# Altium PCB Gimbal_Board_3_PCB.PcbDoc
Units mil, origin at the board's own origin, x right, y up, seen from the top; angles counter-clockwise.
Board outline 3330.6 x 2103.91 mil, 2 copper layers (Top Layer, Bottom Layer); 90 components, 74 nets, 281 pads, 90 vias.
Unrouted connection lines stored in the file: 35.
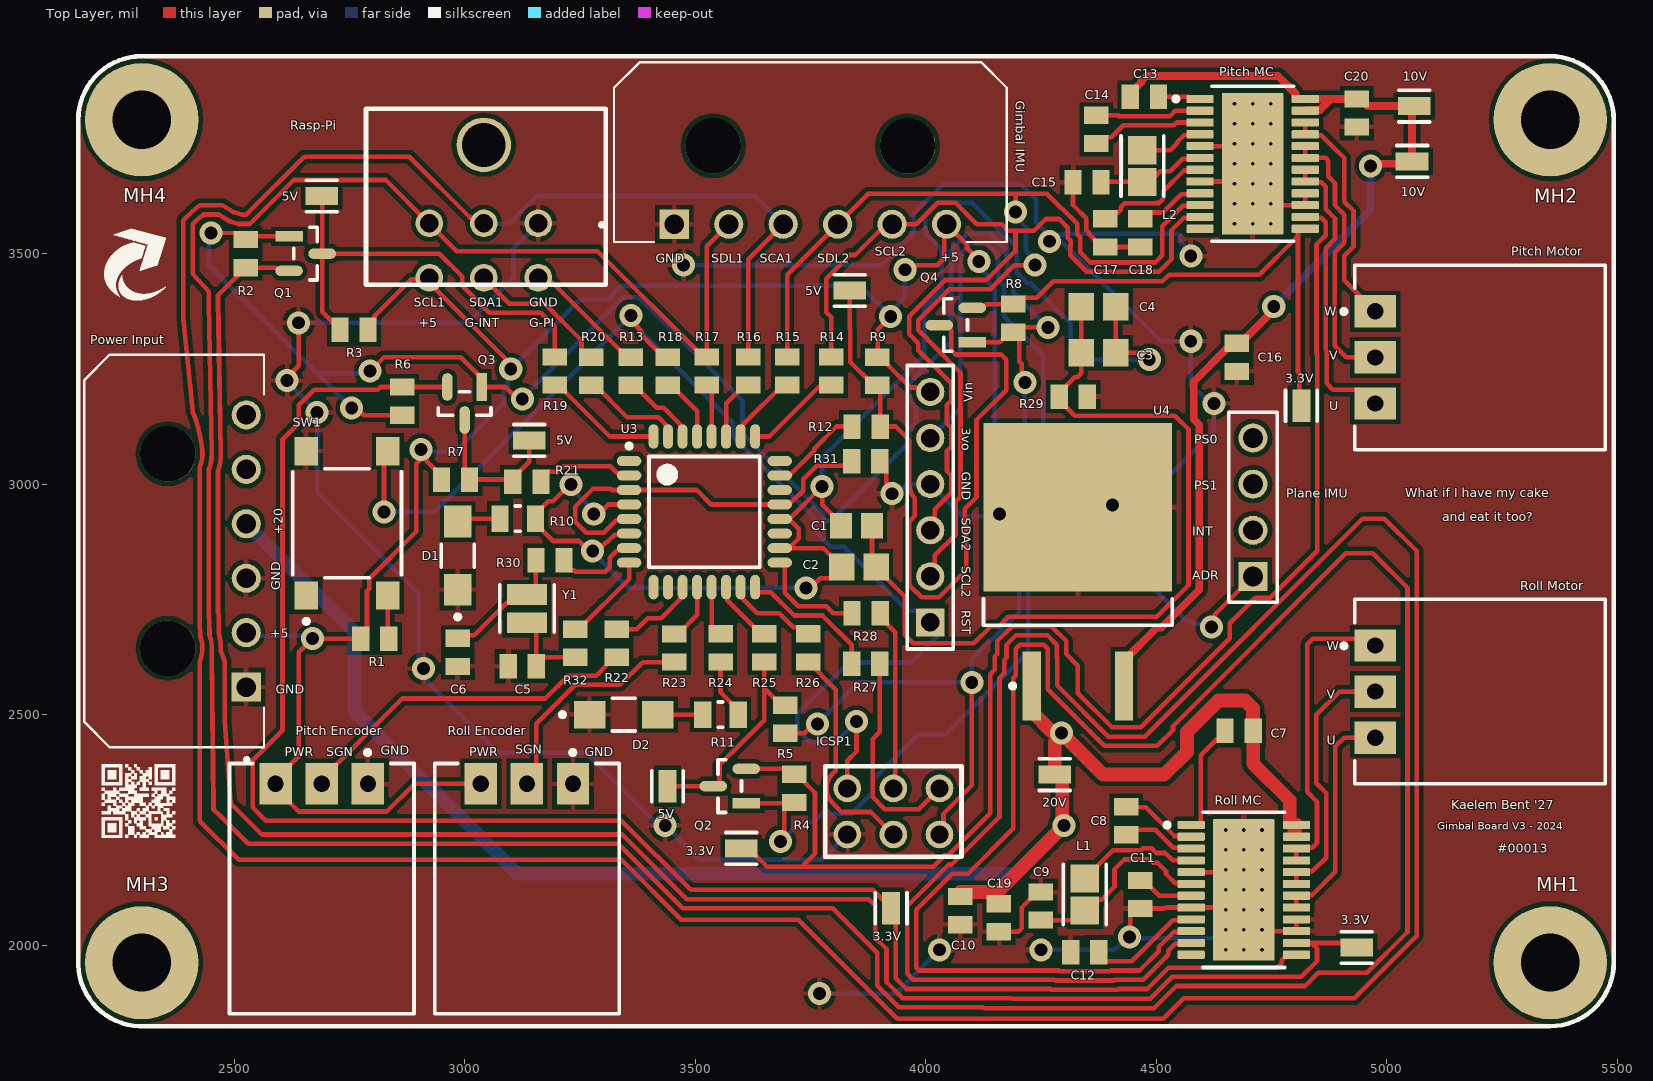
[diagram p0: Top Layer view]
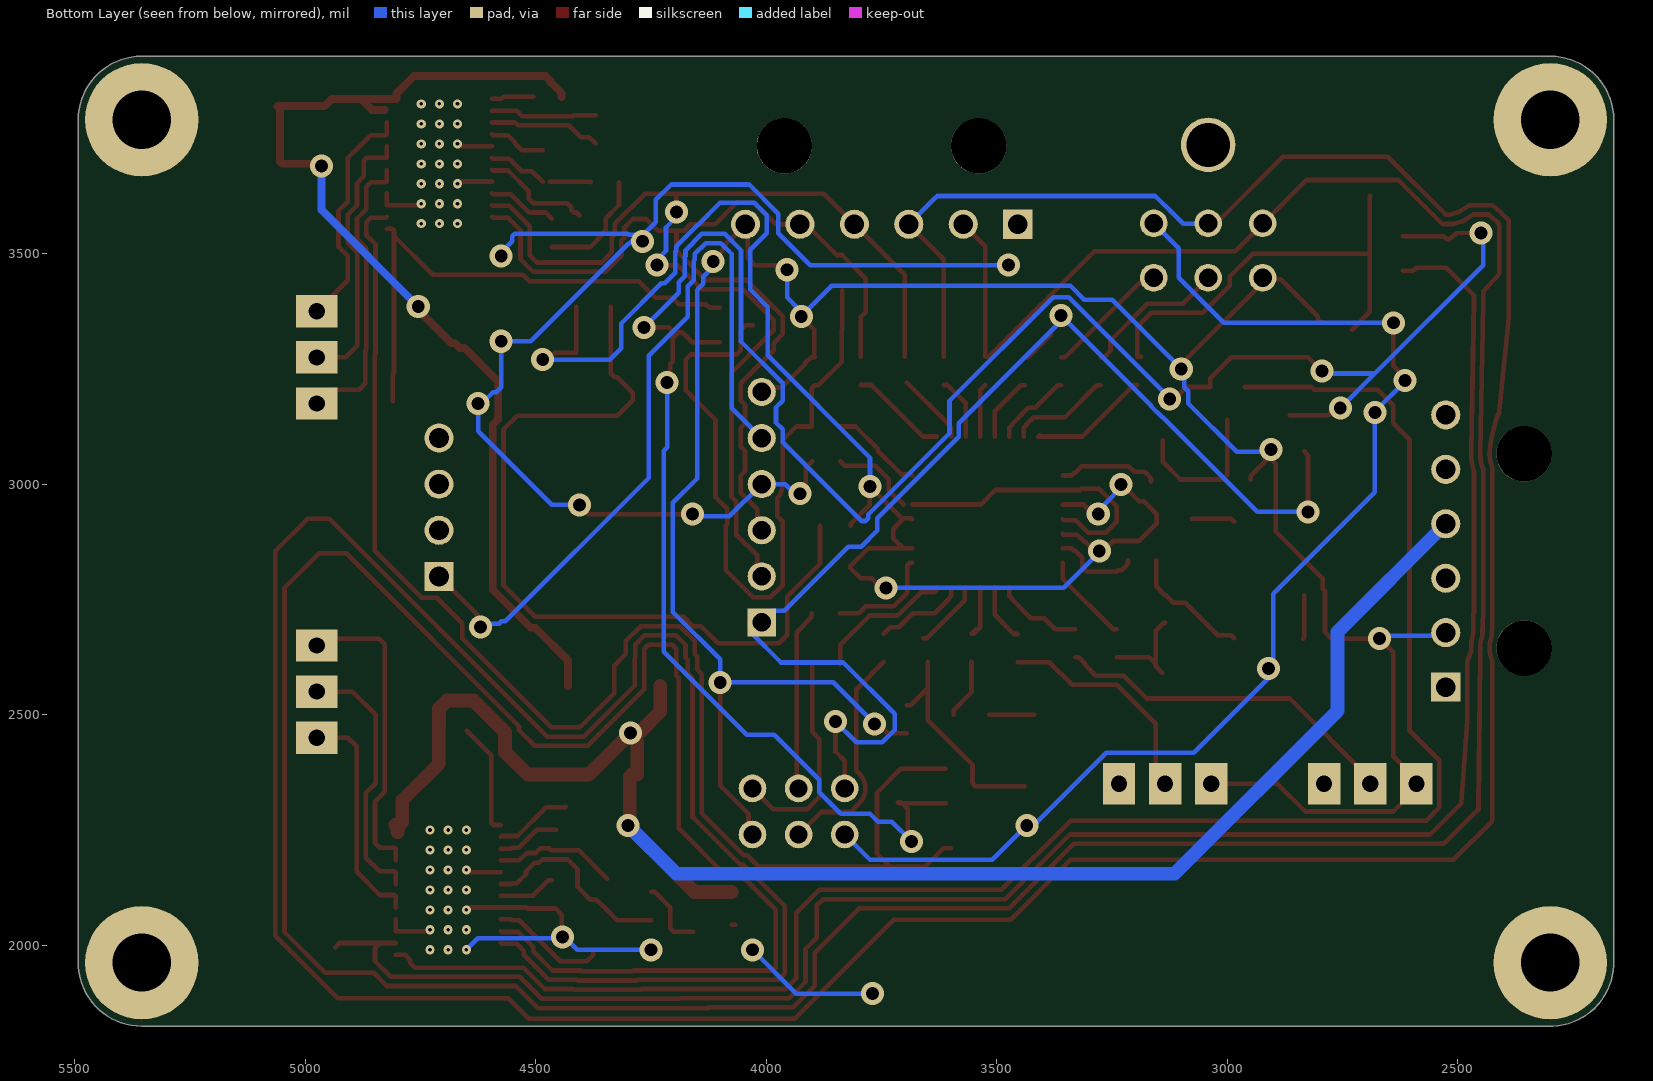
[diagram p1: Bottom Layer view, seen from below]

## Layer stack, top to bottom
Top Solder: solder mask 0.4, Solder Resist, Dk 3.5
Top Layer: signal copper 1.4
Dielectric 1: dielectric 12.6, FR-4, Dk 4.8
Bottom Layer: signal copper 1.4
Bottom Solder: solder mask 0.4, Solder Resist, Dk 3.5

## Board outline
2161.85,1956.6 2161.86,3790.35 cw(c2299.65,3790.35) 2299.65,3928.14 5354.66,3928.14 cw(c5354.66,3790.35) 5492.46,3790.35 5492.46,1962.03 cw(c5354.66,1962.03) 5354.66,1824.24 2294.22,1824.24 cw(c2299.65,1962.03)

## Design rules (kind name [scope] priority, off if disabled: settings)
Clearance [All] p1: gap=10 ignorepadtopadclearanceinfootprint=FALSE except(5: SMDPad-SMDPad; 7: SMDPad-Hole)
HoleSize [All] p1: absolutevalues=TRUE maxlimit=150 minlimit=1 maxpercent=80.000 minpercent=20.000
MinimumSolderMaskSliver [All] p1: minsoldermaskwidth=1.8
NetAntennae [All] p1: netantennaetolerance=5000
PolygonConnect [All] p1: connectstyle=Relief reliefconductorwidth=10 reliefentries=4 polygonreliefangle="90 Angle" airgapwidth=10
RoutingVias [All] p1: holewidth=28 width=50 viastyle="Through Hole" minholewidth=28 minwidth=50 maxholewidth=28 maxwidth=50
SolderMaskExpansion SolderMaskExpansion_Via [IsVia] p1: expansion=4 istentingtop=TRUE
SolderMaskExpansion [All] p2: expansion=4 istentingtop=FALSE
SupplyNets "Schematic Supply Nets_4" [InNet('GND')] p1: voltage=0.000
SupplyNets "Schematic Supply Nets_3" [InNet('MC_ROLL_20T')] p2: voltage=0.000
SupplyNets "Schematic Supply Nets_2" [InNet('+5')] p3: voltage=0.000
SupplyNets "Schematic Supply Nets_1" [InNet('5V')] p4: voltage=0.000
SupplyNets "Schematic Supply Nets" [InNet('+3.3')] p5: voltage=0.000
Width [All] p1: maxlimit=30 minlimit=10 preferedwidth=10 minimp=50.000000 maximp=50.000000 favimp=50.000000
27 further rules are at their usual default settings.

## Classes and differential pairs
component class "Voltage_Regulator and Level Shifters": C19 C20 Q1 Q2 Q3 Q4 R2 R3 R4 R5 R6 R7 R8 R9 U4
component class "Test Pins": 3.3V 5V 10V 20V
component class Motor_Controllers: C7 C8 C9 C10 C11 C12 C13 C14 C15 C16 C17 C18 L1 L2 "Pitch MC" "Roll MC"
component class MCU: C1 C2 C3 C4 C5 C6 D1 D2 MH1 MH2 MH3 MH4 R1 R10 R11 R12 R13 R14 R15 R16 R17 R18 R19 R20 R21 R22 R23 R24 R25 R26 R27 R28 R29 R30 R31 R32 SW1 U3 Y1
component class "Headers and Breakaways": "Gimbal IMU" ICSP1 "Pitch Encoder" "Pitch Motor" "Plane IMU" "Power Input" Rasp-Pi "Roll Encoder" "Roll Motor"

## Components (designator, comment, footprint, x,y, rotation, side; value= is the part's Value field where it differs from the comment)
3.3V "S2761-46R" S2761-46R 3600,2210 r180 top (schematic designator J20)
3.3V "S2761-46R" S2761-46R 4935,1995 r0 top (schematic designator J18)
3.3V "S2761-46R" S2761-46R 4815,3170 r90 top (schematic designator J13)
3.3V "S2761-46R" S2761-46R 3925,2080 r90 top (schematic designator J11)
5V "S2761-46R" S2761-46R 3835,3420 r0 top (schematic designator J16)
5V "S2761-46R" S2761-46R 3140,3095 r0 top (schematic designator J14)
5V "S2761-46R" S2761-46R 3440,2345 r90 top (schematic designator J12)
5V "S2761-46R" S2761-46R 2690,3625 r180 top (schematic designator J7)
10V "S2761-46R" S2761-46R 5060,3820 r0 top (schematic designator J21)
10V "S2761-46R" S2761-46R 5055,3700 r0 top (schematic designator J19)
20V "S2761-46R" S2761-46R 4280,2370 r0 top (schematic designator J15)
C1 "0.1uF" CAPC2013X135X45NL10T25 3850,2910 r180 top
C2 "0.1uF" CAPC2013X135X45ML10T25 3855,2820 r180 top
C3 "0.1uF" CAPC2013X135X45ML10T25 4375,3285 r0 top
C4 "0.1uF" CAPC2013X135X45ML10T25 4375,3385 r0 top
C5 "22pF" 0805 3125,2605 r0 top
C6 "22pF" 0805 2985,2635 r90 top
C7 "100nF" 0805 4680,2465 r180 top
C8 "100nF" 0805 4435,2270 r90 top
C9 "10uF" 0805 4250,2085 r270 top
C10 "10uF" 0805 4075,2075 r90 top
C11 "100nF" 0805 4465,2110 r270 top
C12 "100nF" 0805 4345,1985 r180 top
C13 "100nF" 0805 4474.49,3840 r0 top
C14 "100nF" 0805 4370,3769.49 r90 top
C15 "10uF" 0805 4350,3655 r0 top
C16 "10uF" 0805 4675,3275 r90 top
C17 "100nF" 0805 4390,3545 r270 top
C18 "100nF" 0805 4465,3545 r270 top
C19 "330nF" 0805 4158.94,2059.49 r90 top
C20 "100nF" 0805 4935,3805 r270 top
D1 "POWER_LED" FP-APTD3216CGCK-MFG 2985,2845 r90 top value="Green LED"
D2 "IC_LED" FP-APTD3216CGCK-MFG 3345,2500 r0 top
"Gimbal IMU" "GIMBAL IMU 90 BREAK (1)" "Molex Microfit 3.0 1x6 Right Angle" 3750,3720 r180 top value="1x6 Breakaway" (schematic designator J4)
ICSP1 "ICSP" "2x3 Breakaway Vertical" 3930,2290 r270 top
L1 "47uH" FP-LQM21DH_70-IPC_A 4345,2110 r270 top
L2 "47uH" FP-LQM21DH_70-IPC_A 4470,3690 r270 top
MH1 "M3" M3_Mounting_Hole 5354.66,1962.03 r0 top
MH2 "M3" M3_Mounting_Hole 5354.66,3790.35 r0 top
MH3 "M3" M3_Mounting_Hole 2299.65,1962.03 r0 top
MH4 "M3" M3_Mounting_Hole 2299.65,3790.35 r0 top
"Pitch Encoder" "PITCH_ENCODER_BREAKWAY" "1x3 Breakaway Right Angle" 2690,2122.64 r0 top (schematic designator J2)
"Pitch MC" "MC_PITCH" FP-PWP0024B-MFG 4709.17,3694.84 r0 top (schematic designator U2)
"Pitch Motor" "PITCH_MOTOR_BREAKAWAY" "1x3 Breakaway Right Angle" 5202.36,3275 r90 top (schematic designator J6)
"Plane IMU" "PLANE IMU VERT BREAK" "BNO055 Breakout" 4710,2950 r90 top (schematic designator J8)
"Power Input" "Power Board" "Molex Microfit 3.0 1x6 Right Angle" 2370,2855 r270 top value="Molex 1x6 Right Angle" (schematic designator J3)
Q1 "5V to 3.3V" FP-318-08-IPC_B 2655,3500 r0 top
Q2 "5V to 3.3V" FP-318-08-IPC_B 3575,2345 r180 top
Q3 "5V to 3.3V" FP-318-08-IPC_B 3000,3175 r270 top
Q4 "5V to 3.3V" FP-318-08-IPC_B 4065,3345 r180 top
R1 "1k" 0805 2805,2665 r180 top
R2 "10k" 0805 2525,3500 r90 top
R3 "10k" 0805 2760,3335 r0 top
R4 "10k" 0805 3715,2340 r270 top
R5 "10k" 0805 3695,2490 r270 top
R6 "10k" 0805 2865,3180 r270 top
R7 "10k" 0805 2980,3010 r180 top
R8 "10k" 0805 4190,3360 r270 top
R9 "10k" 0805 3895,3245 r90 top
R10 "220" FP-CRCW0805-e3-MFG 3115,2925 r0 top
R11 "220" FP-CRCW0805-e3-MFG 3555,2500 r0 top
R12 "0" 0805 3870.75,3125 r0 top value=10
R13 "0" 0805 3360,3245 r90 top value=10
R14 "0" 0805 3795,3245.51 r90 top value=10
R15 "0" 0805 3700,3245.51 r90 top value=10
R16 "0" 0805 3615,3245.51 r90 top value=10
R17 "0" 0805 3525,3245.51 r90 top value=10
R18 "0" 0805 3440,3245 r90 top value=10
R19 "0" 0805 3195,3245.51 r90 top value=10
R20 "0" 0805 3275,3245 r90 top value=10
R21 "0" 0805 3135,3005 r180 top value=10
R22 "0" 0805 3330,2655 r270 top value=10
R23 "0" 0805 3455,2644.49 r270 top value=10
R24 "0" 0805 3555,2645 r270 top value=10
R25 "0" 0805 3650,2645 r270 top value=10
R26 "0" 0805 3745,2645 r270 top value=10
R27 "0" 0805 3870,2610 r0 top value=10
R28 "0" 0805 3870.75,2720 r0 top value=10
R29 "0" 0805 4320,3190 r180 top value=10
R30 "0" 0805 3185,2835 r180 top value=10
R31 "0" 0805 3870,3050 r180 top value=10
R32 "0" 0805 3240,2655 r90 top value=10
Rasp-Pi "PI HAT" "Molex Microfit 3.0 2x3 Right Angle" 3160,3566.01 r180 top value="Molex 2x3 Right Angle" (schematic designator J9)
"Roll Encoder" "ROLL_ENCODER_BREAKWAY" "1x3 Breakaway Right Angle" 3135,2122.64 r0 top (schematic designator J1)
"Roll MC" "MC_ROLL" FP-PWP0024B-MFG 4690,2120 r0 top (schematic designator U1)
"Roll Motor" "ROLL_MOTOR_BREAKAWAY" "1x3 Breakaway Right Angle" 5202.36,2550 r90 top (schematic designator J5)
SW1 "Reset_Button" FP-PTS645SM43SMTR92LFS-MFG 2745,2915 r90 top
U3 "ATmega328-AU" 32A_L 3520,2940 r0 top
U4 "VR-PITCH" TO-263_N 4330,2810.24 r90 top
Y1 "16MHz" FP-XRCHA-MFG 3135,2730 r90 top

## Footprints (in the part's own frame and the unit in brackets; to place one, negate y for a bottom-side part, rotate by r counter-clockwise, add the part's x,y. Pads: shape width x height; smd on the part's side, far side on the other; paste and mask are expansions set on the pad)
"1x3 Breakaway Right Angle" [mm]
  rect 1.78x2.29 hole 0.89 paste-2539.97 mask+0: 1(2.54,5.775) 2(0,5.775) 3(-2.54,5.775)
  silkscreen extent -5.08,-6.9 5.08,7.62, body extent -5.18,-6.99 5.18,7.02, height 0.25
"2x3 Breakaway Vertical" [mil]
  round 60 hole 39.37: 1(-50,-100) 2(-50,0) 3(-50,100) 4(50,-100) 5(50,0) 6(50,100)
  silkscreen extent -98,-148 98,148, body extent -100,-150 100,150, height 364
32A_L [mm] "Thin QFP, 32-Leads, Body 7x7mm, Pitch 0.8mm, IPC High Density"
  oval 1.35x0.55 smd: 1(-4.15,2.8) 2(-4.15,2) 3(-4.15,1.2) 4(-4.15,0.4) 5(-4.15,-0.4) 6(-4.15,-1.2) 7(-4.15,-2) 8(-4.15,-2.8) 17(4.15,-2.8) 18(4.15,-2) 19(4.15,-1.2) 20(4.15,-0.4) 21(4.15,0.4) 22(4.15,1.2) 23(4.15,2) 24(4.15,2.8)
  oval 0.55x1.35 smd: 9(-2.8,-4.15) 10(-2,-4.15) 11(-1.2,-4.15) 12(-0.4,-4.15) 13(0.4,-4.15) 14(1.2,-4.15) 15(2,-4.15) 16(2.8,-4.15) 25(2.8,4.15) 26(2,4.15) 27(1.2,4.15) 28(0.4,4.15) 29(-0.4,4.15) 30(-1.2,4.15) 31(-2,4.15) 32(-2.8,4.15)
  silkscreen extent -4.27,-3.05 3.05,3.75, body extent -3.5,-3.5 3.5,3.5, height 1.2
0805 [mm] "Chip Resistor, 2-Leads, Body 2.00x1.25mm, IPC High Density"
  rect 0.95x1.35 smd: 1(-0.775,0) 2(0.775,0)
  body extent -1.1,-0.72 1.1,0.72, height 0.7
"BNO055 Breakout" [mm]
  rect 1.55x1.55 hole 1.02: 1(-6.35,17.78)
  round 1.55 hole 1.02: 2(-3.81,17.78) 3(-1.27,17.78) 4(1.27,17.78) 5(3.81,17.78) 6(6.35,17.78)
  rect 1.6x1.6 hole 1.1: 7(-3.81,0)
  round 1.6 hole 1.1: 8(-1.27,0) 9(1.27,0) 10(3.81,0)
  silkscreen extent -7.81,-1.35 7.81,19.05, body extent -13.33,-1.27 13.33,19.05, height 12.65
CAPC2013X135X45ML10T25 [mm] "Chip Capacitor, 2-Leads, Body 2.10x1.35mm, IPC Low Density"
  rect 1.4x1.5 smd: 1(-0.95,0) 2(0.95,0)
  body extent -1.05,-0.67 1.05,0.67, height 1.35
CAPC2013X135X45NL10T25 [mm] "Chip Capacitor, 2-Leads, Body 2.10x1.35mm, IPC Medium Density"
  rect 1.2x1.4 smd: 1(-0.85,0) 2(0.85,0)
  body extent -1.05,-0.67 1.05,0.67, height 1.35
FP-318-08-IPC_B [mm]
  rect 1.524x0.578 smd paste+0 mask+0: 1(-0.91,0.95)
  rrect100% 1.524x0.578 smd paste+0 mask+0: 2(-0.91,-0.95) 3(0.91,0)
  silkscreen extent -0.65,-1.45 0.65,1.45, body extent -1.92,-1.7 1.92,1.7, height 0.25
FP-APTD3216CGCK-MFG [mm]
  rect 1.75x1.5 smd paste+0 mask+0: 1(-1.875,0) 2(1.875,0)
  silkscreen extent -3.5,-0.9 0.63,0.9, body extent -2.85,-1 2.85,1, height 0.25
FP-CRCW0805-e3-MFG [mm]
  rect 0.95x1.45 smd paste+0 mask+0: 1(-0.975,0) 2(0.975,0)
  silkscreen extent -0.13,-0.7 0.13,0.7, body extent -1.55,-0.82 1.55,0.82, height 0.25
FP-LQM21DH_70-IPC_A [mil]
  rect 61.2x61.27 smd paste+0 mask+0: 1(-34.48,0) 2(34.48,0)
  silkscreen extent -65,-46 65,46, body extent -85,-50 85,50, height 10
FP-PTS645SM43SMTR92LFS-MFG [mm]
  rect 1.55x1.3 smd paste+0 mask+0: 1(-3.975,2.25) 2(3.975,2.25) 3(-3.975,-2.25) 4(3.975,-2.25)
  silkscreen extent -5.52,-3 3,3, body extent -4.85,-3.1 4.85,3.1, height 0.25
FP-PWP0024B-MFG [mm]
  rrect22% 1.5x0.45 smd paste+0 mask+0: 1(-2.9,3.575) 2(-2.9,2.925) 3(-2.9,2.275) 4(-2.9,1.625) 5(-2.9,0.975) 6(-2.9,0.325) 7(-2.9,-0.325) 8(-2.9,-0.975) 9(-2.9,-1.625) 10(-2.9,-2.275) 11(-2.9,-2.925) 12(-2.9,-3.575) 13(2.9,-3.575) 14(2.9,-2.925) 15(2.9,-2.275) 16(2.9,-1.625) 17(2.9,-0.975) 18(2.9,-0.325) 19(2.9,0.325) 20(2.9,0.975) 21(2.9,1.625) 22(2.9,2.275) 23(2.9,2.925) 24(2.9,3.575)
  rrect3% 3.4x7.8 smd paste-1000 mask-1000: 25(0,0)
  silkscreen extent -4.35,-4.28 2.25,4.28, body extent -3.75,-4.2 3.75,4.2, height 0.25
FP-XRCHA-MFG [mm]
  rect 1.15x2.2 smd paste+0 mask+0: 1(-0.775,0) 2(0.775,0)
  silkscreen extent -1.3,-1.5 1.3,1.5, body extent -1.45,-1.2 1.45,1.2, height 0.25
M3_Mounting_Hole [mm] "Plated Through Hole, M3"
  round 6.25 hole 3.2 paste-2539.97: ""(0,0)
"Molex Microfit 3.0 1x6 Right Angle" [mm]
  rect 1.605x1.605 hole 1.07: 1(7.5,3.97)
  round 1.605 hole 1.07: 2(4.5,3.97) 3(1.5,3.97) 4(-1.5,3.97) 5(-4.5,3.97) 6(-7.5,3.97)
  round 3.05 hole 3.05 unplated: ""(-5.35,-0.35) ""(5.35,-0.35)
  silkscreen extent -10.82,-4.95 11.6,4.95, body extent -10.82,-4.95 10.82,4.95, height 5.6
"Molex Microfit 3.0 2x3 Right Angle" [mil] "6 Pos Header Micro-Fit"
  round 60 hole 40: 1(0.39,0.2) 2(118.5,0.2) 3(236.61,0.2) 4(0.39,118.31) 5(118.5,118.31) 6(236.61,118.31)
  round 118.11 hole 94.88: ""(118.5,-169.88)
  silkscreen extent -146,-248 374,134, body extent -141,-351 377,131, height 348
S2761-46R [mm]
  rect 1.8x1 smd paste+0 mask+0: 1(0,0)
  silkscreen extent -0.85,-0.87 0.85,0.87, body extent -1,-0.6 1,0.6, height 0.25
TO-263_N [mm] "D2-PAK, 4-Leads, Body 9.2x10.2mm, Pitch 2.54mm, Lead Span 15.4mm, IPC Medium Density"
  rect 3.8x1 smd: 1(-6.3,2.54) 3(-6.3,-2.54)
  rect 9.3x10.4 smd: 4(3.55,0)
  silkscreen extent -6.42,-5.2 -1.5,5.2, body extent -2.95,-5.2 6.4,5.2, height 4.6

## Part data
3.3V 3.3V 3.3V 3.3V 5V 5V 5V 5V 10V 10V 20V: library part "Test Point", "PC TEST POINT NATURAL", Color=Natural, Body Material=Brass, DNI=DNI, DNP=DNP, Material="Copper Alloy", Mount="Surface Mount", MPN=S2761-46R, Packaging="Tape and Reel", Plating=Tin, RoHS Compliant=Yes
C1 C2 C3 C4: library part CMP-2100-03644-1, "Chip Capacitor, 0.1 uF, +/- 10%, 50 V, -55 to 125 degC, 0805 (2012 Metric), RoHS, Tape and Reel", Capacitance=100nF, Case Code (Imperial)=0805, Case Code (Metric)=2012, Dielectric=X7R, Dielectric Material=Ceramic, Insulation Resistance=10GR, Manufacturer=Murata, Max Operating Temperature=125degC, Min Operating Temperature=-55degC, MPN=GRM21BR71H104KA01L, Package Description="2-Pin Surface Mount Device, Body 2 x 1.25 mm", Package Quantity=1, Tolerance=10%, Voltage=50V, Case/Package=0805, Datasheet URL=http://psearch.en.murata.com/capacitor/product/GRM21BR71H104KA01%23.pdf, Datasheet Version=42675.0, Depth=1.25mm, Height=1.25mm, Lead Free=LeadFree, Length=2mm, Manufacturer URL=http://www.murata.com/, Material=Ceramic, Mount=SurfaceMount, Number of Pins=2, Package Reference=0805, Packaging=TapeandReel, Radiation Hardening=No, REACH SVHC=Unknown, RoHSCompliant=true, Termination=SMD/SMT, Thickness=0.053inch, Voltage Rating=50V, Voltage Rating (DC)=50V, Width=0.049inch
C5 C6: library part "pF - 22pF", "CAP Ceramic, 22pF, 50V, 0805", JLCPCB Basic Part=TRUE, JLCPCB Part #=C1804, Manufacturer="Samsung Electro-Mechanics", MPN=CL21C220JBANNNC, Voltage Rating=50V, Capacitance=22pF
C7 C8 C11 C12 C13 C14 C17 C18 C20: library part "nF - 100nF (0.1uF)", "CAP Ceramic, 100nF, 50V, 0805", JLCPCB Basic Part=TRUE, JLCPCB Part #=C49678, Manufacturer=YAGEO, MPN=CC0805KRX7R9BB104, Voltage Rating=50V, Capacitance=100nF
C9 C10 C15 C16: library part "uF - 10uF", "CAP Ceramic, 10uF, 50V, 0805", JLCPCB Basic Part=TRUE, JLCPCB Part #=C440198, Manufacturer="Murata Electronics", MPN=GRM21BR61H106KE43L, Voltage Rating=50V, Capacitance=10uF
C19: library part "nF - 330nF (0.33uF)", "CAP Ceramic, 330nF, 50V, 0805", JLCPCB Basic Part=TRUE, JLCPCB Part #=C1740, Manufacturer="FH (Guangdong Fenghua Advanced Tech)", MPN=0805B334K500NT, Voltage Rating=50V, Capacitance=330nF
D1 D2: library part CMP-2000-05792-2, "LED GREEN CLEAR 2SMD", Case Code (Imperial)=1206, Case Code (Metric)=3216, Color=Green, Forward Current=20mA, Forward Voltage=2.1V, Lens Color=Clear, Max Operating Temperature=85°C, Min Operating Temperature=-40°C, MPN=APTD3216CGCK, Package Quantity=2000, Case/Package=1206, Dominant Wavelength=570nm, Height=1.8mm, Illumination Color=Green, Lead Free="Lead Free", Length=3.2mm, Lens Style=Clear, Luminous Intensity=300mcd, Mount="Surface Mount", Number of LEDs=1, Number of Pins=2, Packaging="Tape and Reel", Test Current=20mA, Viewing Angle=50°, Width=1.6mm
"Gimbal IMU" "Power Input": library part "Molex Microfit 3.0 1x6 Right Angle", "3.00mm Pitch Micro-Fit 3.0 Header, Surface Mount Compatible, Single Row, Right Angle, with Snap-in Plastic Peg PCB Lock, 6 Circuits, Tin (Sn) Plating, Glow Wire Compatible", Package=None, Availability="In Stock", Check_prices=https://www.snapeda.com/parts/43650-0600/Molex/view-part/?ref=eda, MF=Molex, MP=43650-0600, Price=None, Purchase-URL=https://pricing.snapeda.com/search/part/43650-0600/?ref=eda, SnapEDA_Link=https://www.snapeda.com/parts/43650-0600/Molex/view-part/?ref=snap
  "Power Input": DNI=DNI, DNP=DNP
L1 L2: library part CMP-06042-016981-1, "Multilayer Type Inductor for Power Lines, 0805 (2012), 47μH, 30%, 1.2Ω, 7mA", Case Code (Imperial)=0805, Case Code (Metric)=2012, Current Rating=7mA, DC Resistance (DCR)=1.2R, Max Operating Temperature=85°C, Min Operating Temperature=-40°C, MPN=LQM21DN470N00L, Package Quantity=3000, Self Resonant Frequency=7.5MHz, Test Frequency=1MHz, Tolerance=30%, Case/Package=0805, Core Material=Ferrite, DC Current=7mA, Depth=1.45mm, Height=0.049inch, Inductance=47uH, Lead Free="Lead Free", Length=2mm, Max DC Current=7mA, Military Standard=Not, Mount="Surface Mount", Packaging="Tape and Reel", Radiation Hardening=No, RoHS Compliant=Yes, Series=LQM21D, Shielding=Shielded, Termination=SMD/SMT, Width=0.049inch
MH1 MH2 MH3 MH4: library part "M3 Mounting Hole", "M3 Plated Through Hole (PTH)"
"Pitch Encoder" "Pitch Motor" "Roll Encoder" "Roll Motor": library part "1x3 Right Angle Breakaway", Manufacturer=TE, MPN=5-104935-3, DNI=DNI, DNP=DNP
"Pitch MC" "Roll MC": library part CMP-04915-000055-1, "IC MOTOR DRIVER 8V-28V 24HTSSOP", Max Operating Temperature=125°C, Min Operating Temperature=-40°C, MPN=DRV10983PWPR, Operating Supply Voltage=26V, Output Current=2A, Output Voltage=24V, Interface=I2C, Lead Free="Lead Free", Logic Function="AND GATE", Mount="Surface Mount", Number of Pins=24, Packaging="Tape and Reel", Radiation Hardening=No, RoHS Compliant=Yes
"Plane IMU": library part "BNO055 Breakout", "Adafruit BNO055 Breakout Board Mount FRONT SIDE UP", Manufacturer=Adafruit, MPN=2472, DNI=DNI, DNP=DNP
Q1 Q2 Q3 Q4: library part CMP-07173-000101-1, "MOSFET N-CH 50V 220MA SOT-23", Case/Package=SOT-23, Continuous Drain Current (ID)=220mA, Drain to Source Breakdown Voltage=50V, Drain to Source Resistance=3.5R, Gate to Source Voltage (Vgs)=20V, Input Capacitance=27pF, Max Operating Temperature=150°C, Max Power Dissipation=360mW, Min Operating Temperature=-55°C, MPN=BSS138, On-State Resistance=6R, Package Quantity=1, Threshold Voltage=1.3V, Contact Plating=Tin, Current Rating=220mA, Drain to Source Voltage (Vdss)=50V, Dual Supply Voltage=50V, Element Configuration=Single, Fall Time=9ns, Height=0.93mm, Lead Free="Lead Free", Length=2.92mm, Mount="Surface Mount", Nominal Vgs=1.3V, Number of Elements=1, Number of Pins=3, Packaging="Tape and Reel", Power Dissipation=360mW, Radiation Hardening=No, Rds On Max=3.5R, REACH SVHC="No SVHC", Rise Time=9ns, Termination=SMD/SMT, Turn-Off Delay Time=20ns, Turn-On Delay Time=2.5ns, Voltage Rating (DC)=50V, Weight=0.03g, Width=1.3mm
R1: library part "1000 (1k)", "RES Thick Film, 1kΩ, 0.125W, 150V, 0805", JLCPCB Basic Part=TRUE, JLCPCB Part #=C17513, Manufacturer=UNI-ROYAL, MPN=0805W8F1001T5E, Power Rating=125mW, Voltage Rating=150V, ComponentLink1Description=Source, ComponentLink1URL=https://jlcpcb.com/partdetail/18201-0805W8F1001T5E/C17513
R2 R3 R4 R5 R6 R7 R8 R9: library part "10000 (10k)", "RES Thick Film, 10kΩ, 0.125W, 150V, 0805", JLCPCB Basic Part=TRUE, JLCPCB Part #=C17414, Manufacturer=UNI-ROYAL, MPN=0805W8F1002T5E, Power Rating=125mW, Voltage Rating=150V, ComponentLink1Description=Source, ComponentLink1URL=https://jlcpcb.com/partdetail/18102-0805W8F1002T5E/C17414
R10 R11: library part CMP-2001-03682-2, "RES Thick Film, 220Ω, 1%, 0.125W, 100ppm/°C, 0805", Case Code (Imperial)=0805, Case Code (Metric)=2012, Max Operating Temperature=155°C, Max Power Dissipation=125mW, Min Operating Temperature=-55°C, MPN=CRCW0805220RFKEA, Package Quantity=10, Resistance=220R, Temperature Coefficient=100ppm/°C, Tolerance=1%, Voltage Rating=150V, Case/Package=0805, Composition="Thick Film", Contact Plating=Tin, Depth=1.25mm, Features="Automotive AEC-Q200", Height=0.45mm, Lead Free="Lead Free", Length=2mm, Military Standard=Not, Mount="Surface Mount", Number of Terminations=2, Packaging="Tape and Reel", Power Rating=125mW, Radiation Hardening=No, Termination=SMD/SMT, Voltage Rating (DC)=150V, Weight=0.000194oz, Width=0.049inch
R12 R13 R14 R15 R16 R17 R18 R19 R20 R21 R22 R23 R24 R25 R26 R27 R28 R29 R30 R31 R32: library part 10, "RES Thick Film, 10Ω, 0.125W, 150V, 0805", JLCPCB Basic Part=TRUE, JLCPCB Part #=C96347, Manufacturer=YAGEO, MPN=RC0805FR-0710RL, Power Rating=125mW, Voltage Rating=150V, ComponentLink1Description=Source, ComponentLink1URL=https://jlcpcb.com/partdetail/Yageo-RC0805FR0710RL/C96347
Rasp-Pi: library part "Molex Microfit 3.0 2x3 Right Angle", MPN=0430450601, DNI=DNI, DNP=DNP
SW1: library part CMP-2000-05160-2, "SWITCH TACTILE SPST-NO 0.05A 12V", Case/Package=SMD/SMT, Color=Black, Contact Resistance=100mR, Current Rating=50mA, Max Operating Temperature=60°C, Max Voltage Rating (DC)=12V, Min Operating Temperature=-20°C, MPN=PTS645SM43SMTR92LFS, Operating Force=160gf, Package Quantity=1, Actuator Length=0.85mm, Actuator Material=Nylon, Actuator Type=Standard, Contact Material=Silver, Contact Plating=Silver, Depth=9mm, Illumination Type=Non-Illuminated, Lead Free="Lead Free", Length=6mm, Max Current Rating=50mA, Mechanical Life=100000Cycles, Mount="Surface Mount", Orientation=Straight, Packaging="Tape and Reel", REACH SVHC="No SVHC", Switch Function=Off-Mom, Termination="Gull Wing", Throw Configuration=SPST, Voltage Rating (DC)=12V
U3: library part CMP-0095-00261-2, "8-bit AVR Microcontroller, 32KB Flash, 1KB EEPROM, 2KB SRAM, 32-pin TQFP, Industrial Grade (-40°C to 85°C)", Code_JEDEC=MS-026-ABA, ComponentLink1Description="Manufacturer URL", ComponentLink1URL=http://www.atmel.com/, ComponentLink2Description="ATmega48A/48PA/88A/88PA/168A/168PA/328/328P Datasheet", ComponentLink2URL=http://www.atmel.com/dyn/resources/prod_documents/doc8271.pdf, ComponentLink3Description="ATmega48A/48PA/88A/88PA/168A/168PA/328/328P Summary", ComponentLink3URL=http://www.atmel.com/dyn/resources/prod_documents/8271S.pdf, DatasheetVersion="revD, May-2011", PackageDescription="32-Lead, 7x7x1.0 mm Body, 0.8mm Lead Pitch, Thin Profile Plastic Quad Flat Package (TQFP)", PackageReference=32A, PackageVersion="revC, Oct-2010", RevisionNote="DatasheetVersion & PackageVersion updated. URLs added."
U4: library part CMP-0244-00182-1, "Positive Voltage Regulator, 3-Pin D2PAK, Tape and Reel", ComponentLink1Description="Manufacturer URL", ComponentLink1URL=http://www.st.com, ComponentLink2Description=Datasheet, ComponentLink2URL=http://www.st.com/internet/com/TECHNICAL_RESOURCES/TECHNICAL_LITERATURE/DATASHEET/CD00000444.pdf, DatasheetVersion=16/11/2011, PackageDescription="3-Pin Transistor Outline Package 2.54 mm Pitch, 15.4 mm Lead Span (D2PAK)", PackageReference=TO-263, PackageVersion=2011
Y1: library part CMP-06054-000011-1, "CRYSTAL 16.0000MHZ 8PF SMD", Case/Package=SMD/SMT, ESR (Equivalent Series Resistance)=100R, Frequency Stability=100ppm, Load Capacitance=8pF, Max Operating Temperature=125°C, Min Operating Temperature=-40°C, MPN=XRCHA16M000F0A01R0, Package Quantity=3000, Ratings=AEC-Q200, Frequency=16MHz, Frequency Tolerance=100ppm, Height=0.031inch, Lead Pitch=1.45mm, Length=0.098inch, Mount="Surface Mount", Packaging="Tape and Reel", Termination=SMD/SMT, Tolerance=100ppm, Weight=0.000459oz, Width=0.079inch
ICSP1: DNI=DNI, DNP=DNP

## Via types
v1: diameter 50, hole 28, Top Layer to Bottom Layer, tented both sides, 48 vias
v2: diameter 19.68, hole 7.87, Top Layer to Bottom Layer, tented both sides, 42 vias
